# Altium PCB Einsy_Rambo-bu.PcbDoc (part 4 of 5) (continued)
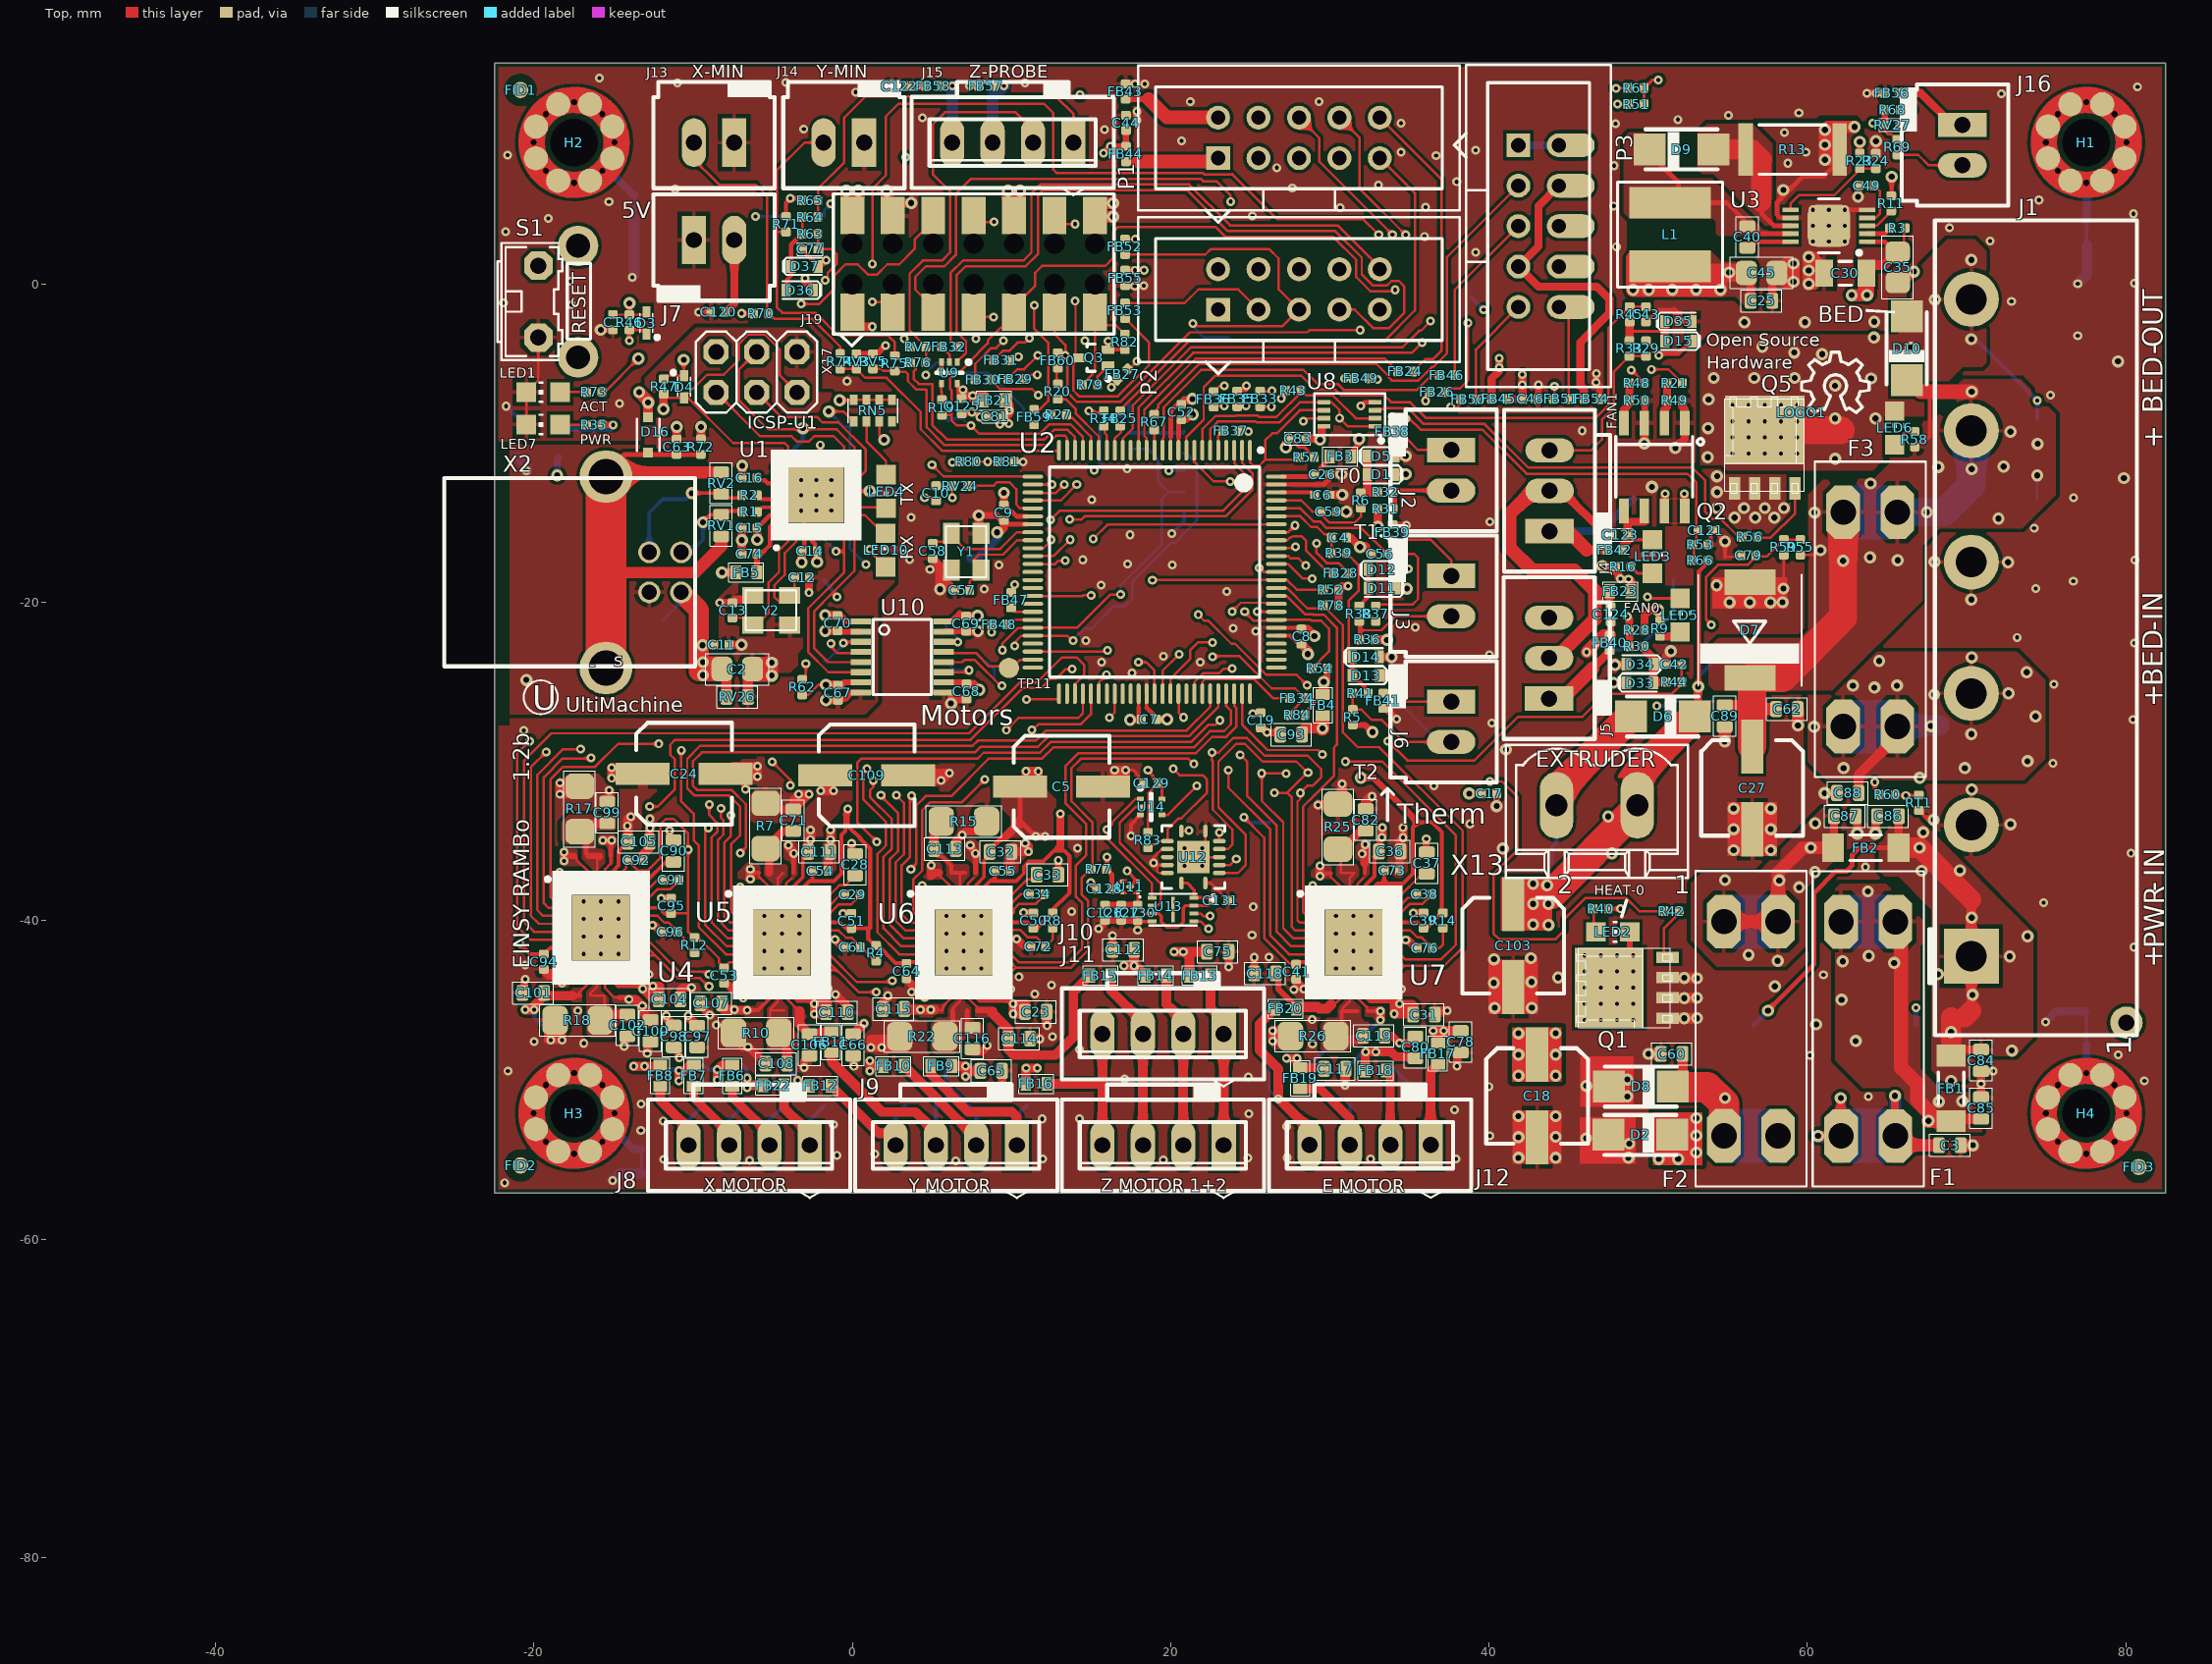
[diagram p0: Top view]
## Nets (pads, with @x,y where several pads share a name; then routed paths per layer and width w, separated by ;. In a path a pad name is that pad's centre, name@x,y a point inside that pad or via, vN(x,y) a via of type N, cw(c..) or ccw(c..) an arc to the next point about the centre after c; other vN are vias at no path point) (continued)
THERM0: C59.1 R6.2 U2.97 | length 6.3
  Top w0.152: U2.97@26.988,-13.591 28.209,-13.591 28.917,-14.299 C59.1@29.446,-14.299 29.446,-14.473 29.94,-14.967 31.591,-14.967 31.947,-14.611 R6.2@31.947,-14.078 R6.2@31.972,-14.103
THERM1: C56.1 R37.2 U2.96 | length 15.3
  Top w0.152: U2.96@26.988,-14.091 28.15,-14.091 28.969,-14.91 29.38,-14.91 29.793,-15.323 31.976,-15.323 33.603,-16.95 35.289,-16.95 35.535,-17.196 35.535,-19.793 35.204,-20.123 32.988,-20.123 R37.2@32.887,-20.225
  Top w0.254: R37.2@32.887,-20.326 R37.2@32.937,-20.276
THERM2: C4.1 R39.2 U2.95 | length 4.6
  Top w0.152: U2.95@26.988,-14.591 28.145,-14.591 28.814,-15.26 28.816,-15.26 28.822,-15.266 29.216,-15.266 29.679,-15.729 29.897,-15.729 C4.1@30.1,-15.932 30.1,-16.89 R39.2@30.093,-16.897
TX0: TP31.TP U2.3 U10.11 | length 35.1
  Top w0.152: U10.11@5.737,-24.389 7.208,-24.389 v1(7.334,-24.263) ; v1@12.53,-14.86 12.53,-14.905 12.541,-14.916 12.541,-14.719 13.03,-14.23 23.32,-14.23 24.794,-12.756 24.794,-12.047 23.991,-11.244 U2.3@23.991,-10.091
  Signal Layer 2 w0.152: v1(7.334,-24.263) 7.772,-24.701 8.189,-24.701 8.73,-25.242 8.73,-25.48 9.13,-25.88 9.762,-25.88 11.2,-24.442 11.2,-19.941 11.906,-19.235 11.906,-15.354 v1(12.44,-14.82)
  Bottom w0.152: TP31.TP@5.861,-23.679 6.445,-24.263 v1(7.334,-24.263)
TX0-I: TP26.TP U1.8 U10.6 | length 13.7
  Top w0.152: v1(-1.022,-16.796) -0.529,-16.796 ; U1.8@-0.517,-15.665 -0.529,-15.677 -0.529,-16.796 ; U10.6@0.521,-24.389 -1.504,-24.389 -2.775,-23.118 -2.775,-20.377 -0.529,-18.131 -0.529,-16.796
  Bottom w0.152: TP26.TP@-1.759,-16.059 v1(-1.022,-16.796)
TX1: R80.1 R85.1 U2.46 | length 34.6
  Top w0.152: v2(6.28,-11.19) 6.158,-11.19 6.125,-11.157 R80.1@6.826,-11.157 ; v1(10.2,-22.74) 10.2,-22.509 10.605,-22.104 U2.46@10.987,-22.104 ; U2.46@11.337,-22.091 13.511,-22.091 v1@13.66,-22.24
  Signal Layer 1 w0.152: v2(6.28,-11.19) 6.28,-11.62 10.28,-15.62 10.28,-17.543 9.31,-18.513 9.31,-19.236 10.2,-20.126 v1(10.2,-22.74)
  Bottom w0.152: v1@13.82,-22.4 14.57,-21.65 15.025,-21.65 16.426,-20.249 17.117,-20.249 17.6,-19.766 17.6,-18.703 20.069,-16.234 20.306,-16.234 20.634,-15.906 20.634,-15.866 21.225,-15.275
  Bottom w0.178: R85.1@20.85,-10.63 20.98,-10.63 21.642,-11.292 21.642,-14.858 21.225,-15.275
  other v1: 13.87,-22.4
TX2: R67.1 U2.13 | length 1.5
  Top w0.152: R67.1@18.975,-8.98 18.987,-8.992 U2.13@18.987,-10.441
TX2_EXT: P3.3 R67.2 | length 33.3
  Top w0.152: R67.2@18.975,-8.017 19.216,-7.776 19.216,-7.585 21.767,-5.034 32.945,-5.034 33.702,-5.79 33.702,-5.848 ; 33.698,-5.852 33.923,-6.077 35.539,-6.077 36.406,-5.21 36.491,-5.21 37.363,-4.338 37.363,1.702 41.743,6.082 P3.3@41.743,6.184
TX3: FB35.1 U2.64 | length 21.8
  Top w0.152: U2.64@19.495,-26.092 19.495,-24.294 v1(20.53,-23.26) ; FB35.1@24.174,-7.66 v2@24.761,-7.66
  Signal Layer 2 w0.152: v1(20.53,-23.26) 20.53,-23.123 22.49,-21.163 22.49,-20.432 22.055,-19.998 22.055,-18.288 22.75,-17.593 22.75,-16.211 24.43,-14.531 24.43,-9.91 24.16,-9.64 24.16,-8.86 24.761,-8.259 v2@24.761,-7.66
  other v2: 24.74,-7.65
TXL: LED4.C U1.11 | length 2
  Top w0.152: U1.11@0.133,-14.015 2.045,-14.015 LED4.C@2.121,-14.091
uC_Vcc: C7.1 C8.1 C9.1 C52.1 C81.1 FB21.2 U2.10 U2.31 U2.61 U2.80 | length 12.7
  Top w0.152: C52.1@20.621,-8.46 C52.1@20.796,-8.285 ; v3@21.37,-8.285 v3@21.421,-8.285
  Top w0.203: 17.987,-26.6 U2.61@17.987,-25.741 ; U2.10@20.487,-10.441 20.487,-9.649 20.511,-9.625
  Top w0.254: U2.80@26.637,-22.091 27.501,-22.091 28.034,-22.623 C8.1@28.213,-22.623
  Top w0.292: C9.1@9.519,-13.885 C9.1@9.594,-13.885 ; C9.1@9.519,-13.81 C9.1@9.594,-13.885 ; C9.1@9.705,-13.885 C9.1@9.594,-13.885 ; U2.31@10.987,-14.591 10.301,-14.591 C9.1@9.594,-13.885 ; C7.1@17.987,-27.275 17.987,-26.6
  Top w0.305: 20.511,-9.625 20.511,-8.57 C52.1@20.621,-8.46
  Top w0.457: C81.1@9.435,-8.324 C81.1@9.646,-8.324 ; v3(17.45,-27.375) 18.125,-27.375 C7.1@18.15,-27.35
  Top w0.508: C9.1@9.519,-13.81 v3(9.519,-13.115) ; C52.1@20.669,-8.457 21,-8.457 21.267,-8.19 v3(21.4,-8.19)
  Top w0.559: v1(9.27,-8.78) 9.27,-8.708 9.266,-8.703 9.874,-8.095 9.874,-7.608 FB21.2@9.574,-7.308
  Top w0.584: C8.1@28.213,-22.623 28.619,-23.03 v4(28.619,-23.247)
  other v1: 9.84,-8.77 9.87,-7.93
USBVCC: C2.2 C11.1 C14.1 C15.1 C67.2 C70.1 D4.C FB5.1 JP3.1 R47.2 R62.2 RN5.1 RN5.2 RN5.3 RN5.4 RV26.2 TP46.TP U1.4 U1.31 U10.1 U10.7 X2.1 X17.2 | length 33
  Top w0.152: R47.2@-11.843,-5.75 -11.838,-5.755 D4.C@-10.568,-5.755 -10.593,-5.73 v3(-10.593,-4.755) ; R62.2@-3.15,-25.806 -2.759,-25.806 -2.127,-25.174 v3(-1.654,-25.174) ; C67.2@-0.921,-25.174 C67.2@-0.904,-25.192 ; v3(-0.804,-7.299) 0.052,-7.299 RN5.4@0.077,-7.274 RN5.3@0.89,-7.274 RN5.2@1.696,-7.274 RN5.1@2.496,-7.274
  Top w0.279: C15.1@-5.983,-15.323 -5.973,-15.323 -5.165,-14.515 U1.31@-4.68,-14.515 ; U1.4@-2.521,-15.665 -2.521,-16.151 -2.343,-16.328 -2.343,-16.64 C14.1@-2.207,-16.776
  Top w0.381: C67.2@-0.904,-25.192 -0.655,-25.192 -0.488,-25.024 U10.7@0.521,-25.024 ; C70.1@-0.879,-20.824 -0.728,-20.824 -0.35,-21.202 U10.1@0.521,-21.202
  Top w0.508: v3(-9.404,-22.689) -9.379,-22.663 C11.1@-8.711,-22.663 ; v3(-8.185,-18.117) FB5.1@-7.326,-18.117 ; C15.1@-5.983,-15.323 -5.975,-15.33 v3@-5.975,-16.085 ; v3@-2.213,-17.488 -2.213,-16.782 C14.1@-2.207,-16.776 ; v3(-1.704,-20.799) -0.904,-20.799 C70.1@-0.879,-20.824 ; v3(-1.654,-25.174) C67.2@-0.921,-25.174
  Top w0.635: C2.2@-8.185,-24.187 -7.913,-24.187 RV26.2@-7.913,-25.94
  Top w0.762: v3(-9.379,-24.568) C2.2@-8.185,-24.568 ; v3(-9.379,-23.755) C2.2@-7.931,-23.755
  Top w1.27: X2.1@-10.755,-19.369 -9.633,-20.491 -9.633,-24.314 -8.312,-24.314 C2.2@-8.185,-24.187
  Signal Layer 2 w0.152: X2.1@-10.835,-19.369 X2.1@-10.755,-19.369
  Bottom w0.152: TP46.TP@-11.919,-21.139 -10.755,-19.975 X2.1@-10.755,-19.369
  Bottom w0.406: v4(-18.542,-12.014) -18.542,-11.009 JP3.1@-18.415,-10.882
  other v3: -2.213,-17.463 -5.975,-16.059
USHIELD: C63.1 D16.A R72.2 RV1.1 RV2.1 X2.P$1 X2.P$2 | length 34.5
  Top w0.305: X2.P$1@-15.537,-12.157 -15.729,-11.964 -15.571,-11.964 -14.306,-10.7 R72.2@-9.518,-10.7
  Top w0.61: X2.P$1@-15.479,-12.214 X2.P$1@-15.479,-12.099
  Top w0.711: -15.377,-18.117 -9.887,-18.117
  Top w0.762: X2.P$1@-15.537,-12.157 X2.P$1@-15.479,-12.214 ; -15.479,-18.015 -15.377,-18.117 ; X2.P$1@-15.088,-11.823 RV2.1@-8.236,-11.823 ; -9.887,-18.117 -8.236,-16.466 RV1.1@-8.236,-15.85
  Top w2.54: X2.P$2@-15.479,-24.119 -15.479,-18.015 X2.P$1@-15.479,-12.214
VCC: C17.1 C19.1 C25.1 C44.1 C45.1 C46.2 C68.2 C69.1 C83.1 C120.2 C122.2 C125.2 C128.2 C129.2 D1.K D3.C D11.K D13.K D15.K D33.K D36.K FB3.1 FB4.1 FB21.1 FB23.1 FB44.2 FB45.1 FB58.1 J7.2 J19.2 J19.10 JP3.2 L1.2 P4.1 P4.2 R5.2 R9.1 R11.2 R16.1 R23.2 R28.2 R29.2 R31.2 R35.2 R36.2 R46.2 R51.2 R52.2 R54.2 R60.2 R61.2 R65.2 R68.2 R70.1 R71.1 R77.2 R78.2 R83.1 R84.2 R86.2 TP32.TP U8.8 U9.5 U10.10 U10.16 U11.3 U11.4 U14.5 | length 112.8
  Top w0.152: R83.1@18.575,-34.445 18.575,-33.649 18.604,-33.619 18.604,-31.959 18.859,-31.705 18.859,-31.691 C129.2@19.2,-31.35
  Top w0.203: U9.5@6.6,-6.25 6.631,-6.281 6.631,-7.023 C125.2@6.875,-7.267 ; U11.4@16.96,-38.205 16.513,-38.205 16.308,-38 16.622,-37.686 16.622,-37.677 16.754,-37.545 U11.3@16.96,-37.545 ; v1(18.575,-30.55) 18.575,-30.575 18.884,-30.884 18.884,-31.034 19.2,-31.35 19.45,-31.6 U14.5@19.45,-32.35 ; R84.2@28.43,-27.05 28.43,-26.912 28.716,-26.626 28.779,-26.626 29.023,-26.382 29.023,-26.319 FB4.1@29.559,-25.783 ; R51.2@49.74,11.308 R61.2@49.74,12.324 50.237,12.821 v2(50.641,12.821) ; R29.2@49.867,-3.565 v2@50.67,-4.369 ; v1(64.237,-31.293) 64.237,-31.75 R60.2@64.567,-32.08
  Top w0.254: v1(-14.021,-3.556) -14.021,-2.896 R46.2@-14.002,-2.877 ; R46.2@-14.021,-2.837 -13.243,-2.837 D3.C@-12.935,-3.145 ; v2(-6.96,-1.842) -7.01,-1.842 -7.01,-1.854 R70.1@-6.22,-1.854 ; R71.1@-4.166,4.239 -4.166,5.105 v2(-3.886,5.385) -3.251,5.385 R65.2@-3.124,5.258 ; v2@50.67,-4.369 51.892,-4.369 52.68,-3.581 D15.K@52.742,-3.581 ; R68.2@65.83,10.952 v2(66.567,10.952)
  Top w0.279: D11.K@34.118,-19.107 34.143,-19.133 v3(34.842,-19.133)
  Top w0.305: v1(16,-36) 16,-36.708 R77.2@15.958,-36.75 16.308,-37.1 C128.2@16.308,-38 ; FB3.1@31.316,-10.827 31.316,-10.568 31.845,-10.039 v3(31.845,-9.735) ; v3(38.754,-32.01) C17.1@39.524,-32.01 ; R23.2@63.29,8.223 v3(63.29,8.934) ; R11.2@65.272,5.556 65.297,5.582 v4(65.297,6.75)
  Top w0.381: R35.2@-15.729,-8.846 v2(-15.018,-8.846) ; U10.10@5.737,-25.024 C68.2@7.077,-25.024 ; U10.16@6.241,-21.189 6.756,-20.674 ; 6.756,-20.864 C69.1@7.146,-20.864 ; v3(29.616,-24.994) 29.839,-24.771 R54.2@29.839,-24.149 ; R5.2@31.439,-27.692 32.201,-27.692 32.658,-28.15 v3(32.683,-28.15)
  Top w0.406: v2(15.782,8.22) v2(16.215,8.653) FB44.2@17.19,8.653 17.19,9.662 C44.1@17.191,9.663 ; v1(25.15,-26.99) 25.6,-26.99 C19.1@25.66,-26.93
  Top w0.457: 48.119,-18.235 48.119,-18.432 v1@48.229,-18.542 ; v1@48.235,-18.542 v1(48.768,-18.542)
  Top w0.508: C120.2@-7.939,-1.746 -7.417,-1.224 J7.2@-7.417,2.769 ; v2(-2.972,0.356) -2.972,0.139 D36.K@-2.452,-0.381 ; C122.2@3.434,12.446 v2@4.058,12.446 ; v2(4.058,12.471) 4.079,12.45 FB58.1@4.61,12.45 ; C125.2@6.875,-7.177 6.875,-7.003 v1(7.563,-7.003) ; C69.1@7.146,-20.864 7.926,-20.864 v3@7.944,-20.847 ; C68.2@7.171,-25.118 7.18,-25.127 7.628,-25.127 v3@8.051,-25.55 ; C83.1@28.447,-9.709 29.483,-9.709 29.489,-9.703 29.489,-9.081 ; R78.2@30.55,-20.149 R52.2@30.55,-19.196 30.772,-18.974 v1(31.14,-18.974) ; R36.2@32.836,-22.333 v3@33.598,-22.333 ; v3(33.014,-15.246) R31.2@33.014,-14.129 ; D13.K@33.115,-24.594 v3(33.877,-24.594) ; FB45.1@41.12,-7.22 42.117,-7.22 42.1,-7.203 v2(42.1,-6.34) v2(42.1,-5.69) ; v3(47.822,-25.051) D33.K@48.623,-25.051 ; R16.1@47.927,-17.729 v3(47.142,-17.729) 47.613,-17.729 48.119,-18.235 ; v1(48.768,-18.542) 48.819,-18.542 48.925,-18.648 FB23.1@48.925,-19.329 ; R28.2@49.778,-21.749 49.778,-20.809 50.114,-20.472 v3(50.622,-20.472) 50.743,-20.593 R9.1@50.743,-21.167 ; C45.1@56.168,0.705 56.438,0.435 C25.1@56.438,-1.048
  Top w0.559: FB21.1@8.244,-7.308 8.214,-7.278 7.683,-7.278 7.563,-7.158 v1(7.563,-7.003) FB21.1@8.299,-7.003
  Top w0.635: FB4.1@29.559,-25.783 29.616,-25.726 v3(29.616,-24.994)
  Top w0.762: J19.2@-0.381,5.41 v3(-0.381,5.867) ; 0.381,5.486 v3(0.381,5.867) ; v3(9.779,5.867) 9.779,5.41 10.16,5.029 J19.10@10.16,4.305 ; 10.541,5.486 v3(10.541,5.867) ; D1.K@34.258,-11.944 v3(34.766,-11.944) ; v3@53.01,-0.083 54.261,-0.083 v3(54.534,-0.356)
  Top w0.889: L1.2@49.041,1.619 v3@49.041,-0.356 ; L1.2@53.01,1.422 v3@53.01,-0.083 ; 54.483,0.705 54.534,0.654 v3(54.534,-0.356) v3(53.01,-0.356) ; v3@49.041,-0.356 v3@49.047,-0.356 ; v3@49.041,-0.356 v3(49.041,-0.362) v3@49.047,-0.356 ; v3@49.047,-0.356 49.052,-0.36 v3(50.04,-0.36) 51.507,-0.36 v3(51.511,-0.356) v3(53.01,-0.356) ; v3@49.047,-0.356 49.32,-0.083 v3@53.01,-0.083 ; v3(53.01,-0.356) v3@53.01,-0.083
  Top w1.143: L1.2@53.588,0.705 54.483,0.705 C45.1@56.168,0.705
  Signal Layer 1 w0.508: v1@48.26,-18.542 v1(48.26,-18.517)
  Signal Layer 2 w0.305: v3@55.01,0.705 v3@55.143,0.705 ; v3(55.086,0.73) v3@55.169,0.73
  Signal Layer 2 w0.508: v3@55.169,0.73 63.29,8.852 v3(63.29,8.934)
  Bottom w0.203: v1(15.2,-11.7) 15.545,-11.355 15.545,-8.914 16.134,-8.325 P4.2@17.375,-8.325 P4.1@17.375,-7.305 ; v1(19.875,-11.725) 19.88,-11.72 R86.2@20.85,-11.72
  Bottom w0.254: TP32.TP@38.881,-0.819 v2(39.668,-1.607)
  Bottom w0.508: JP3.2@-18.415,-9.032 -15.204,-9.032 v2(-15.018,-8.846)
  other v1: 6.95,-6.644
  other v2: 50.673,-4.47
  other v3: 7.98,-25.5 33.598,-22.358 7.868,-20.847 29.388,-9.779
VCC-FAN: C123.2 C124.2 FB23.2 J4.2 J5.2 TP33.TP | length 43.3
  Top w0.508: J4.2@43.809,-12.986 44.571,-12.986 47.333,-15.748 C123.2@47.76,-15.748 ; 46.711,-19.329 FB23.2@47.585,-19.329 ; FB23.2@47.585,-19.3 FB23.2@47.585,-19.329 ; FB23.2@47.595,-19.329 FB23.2@47.585,-19.329 ; C124.2@47.65,-20.265 47.585,-20.2 FB23.2@47.585,-19.329
  Top w0.864: J5.2@43.783,-23.501 44.194,-23.501 46.65,-21.045 46.65,-19.39 46.711,-19.329 45.364,-17.983 42.723,-17.983 41.3,-16.561 41.3,-14.453 42.767,-12.986 J4.2@43.809,-12.986
  Signal Layer 2 w0.203: J5.2@44.507,-23.501 J5.2@43.783,-23.501 42.969,-23.501 41.48,-24.99 41.48,-26.95 41.91,-27.38 45.84,-27.38 46.709,-26.511 v1(50.552,-26.511)
  Bottom w0.203: v1(50.552,-26.511) 50.914,-26.511 51.206,-26.219 TP33.TP@54.121,-26.219
VCC-MOT: C39.2 C41.2 C50.2 C51.2 C53.2 C54.2 C55.2 C64.2 C73.2 C92.2 C93.2 C94.2 C95.2 FB4.2 R4.2 R8.2 R12.2 R14.2 TP8.TP U4.8 U4.26 U4.30 U5.8 U5.26 U5.30 U6.8 U6.26 U6.30 U7.8 U7.26 U7.30 | length 177.4
  Top w0.152: U4.30@-14.539,-37.517 -14.539,-37.018 -14.205,-36.684 -14.205,-36.43 -14.053,-36.278 -13.494,-36.836 -12.833,-36.836 -12.063,-36.066 -12.063,-33.958 -11.716,-33.611 -11.208,-33.611 -10.332,-34.487 -10.332,-35.528 v1(-10.319,-35.541) ; C95.2@-11.386,-39.529 -10.395,-39.529 -10.319,-39.453 ; v1@-10.319,-35.566 -10.319,-39.453 ; U5.8@-6.851,-42.606 -7.707,-42.606 -8.058,-42.958 -8.376,-42.64 -8.376,-42.37 -9.591,-41.154 -9.862,-41.154 -10.319,-40.697 -10.319,-39.453 ; 0.997,-40.469 1.118,-40.469 ; C64.2@3.397,-42.678 C64.2@3.469,-42.606 ; C50.2@11.373,-40.469 C50.2@11.627,-40.469 ; v1(24.606,-33.509) 25.876,-34.779 25.876,-41.084 27.471,-42.678 27.883,-42.678 C41.2@27.955,-42.606 ; C39.2@35.858,-40.469 35.884,-40.469 C39.2@36.062,-40.469
  Top w0.241: C94.2@-19.387,-42.094 -18.984,-41.692 U4.8@-18.214,-41.692 ; U4.26@-13.364,-39.192 U4.26@-13.359,-39.192 -12.142,-39.192 -11.779,-39.554 C95.2@-11.386,-39.554 ; U5.30@-3.176,-38.431 -3.176,-37.996 -2.695,-37.516 -2.496,-37.516 -1.143,-37.516 -0.686,-37.059 -0.686,-36.754 ; U5.26@-1.996,-40.106 -0.813,-40.106 -0.737,-40.183 -0.711,-40.183 -0.425,-40.469 1.118,-40.469 ; C64.2@3.469,-42.606 U6.8@4.579,-42.606 ; U6.30@8.254,-38.431 8.254,-37.898 8.68,-37.471 8.782,-37.471 ; C55.2@8.96,-36.862 8.96,-37.294 8.782,-37.471 ; U6.26@9.429,-40.106 11.01,-40.106 C50.2@11.373,-40.469 ; 12.008,-36.252 11.99,-36.27 11.101,-36.27 10.77,-36.601 10.77,-37.033 10.287,-37.516 8.826,-37.516 8.782,-37.471 ; C41.2@27.955,-42.606 U7.8@29.065,-42.606 ; U7.30@32.74,-38.431 32.74,-37.923 32.988,-37.675 33.42,-37.675 ; C73.2@33.42,-36.887 33.42,-37.675 ; U7.26@33.915,-40.106 34.986,-40.106 34.999,-40.119 35.499,-40.119 35.507,-40.111 35.51,-40.114 35.529,-40.114 C39.2@35.884,-40.469 ; 35.212,-37.051 34.588,-37.675 33.42,-37.675 ; 35.216,-36.996 35.216,-36.659
  Top w0.254: v1(-20.885,-41.434) -20.225,-42.094 C94.2@-19.387,-42.094 ; v1@-10.319,-35.566 v1(-10.319,-35.541) ; -2.496,-37.516 C54.2@-2.496,-36.862 ; -0.686,-36.754 -0.686,-34.613 -0.438,-34.365 -0.438,-33.128 v1(-0.286,-32.976) -0.286,-34.042 0.121,-34.449 0.145,-34.449 0.502,-34.806 0.502,-34.854 1.118,-35.47 1.118,-40.469 ; 0.997,-40.469 0.997,-41.142 1.289,-41.434 1.492,-41.434 2.737,-42.678 C64.2@3.397,-42.678 ; C50.2@11.601,-40.469 R8.2@12.525,-39.545 ; 12.008,-36.252 12.668,-35.592 12.821,-35.592 ; R8.2@12.551,-39.545 12.551,-39.341 13.642,-38.25 13.642,-35.931 13.303,-35.592 12.948,-35.592 ; 35.216,-36.659 35.216,-34.135 35.538,-33.814 36.427,-33.814 37.036,-34.423 37.036,-39.494 C39.2@36.062,-40.469
  Top w0.406: v3(31.947,-31.02) 32.744,-31.02 35.538,-33.814
  Top w0.508: 12.948,-35.465 13.075,-35.337 v1(13.075,-33.275)
  Top w0.61: C93.2@28.255,-28.05 28.384,-27.921 v3(29.534,-27.921)
  Top w0.889: v3(29.534,-27.921) FB4.2@29.534,-27.443
  Signal Layer 2 w0.559: v1(-10.319,-35.541) -9.963,-35.185
  Signal Layer 2 w0.889: v1@-20.682,-41.307 -20.93,-41.059 -20.93,-36.271 -17.939,-33.28 -15.246,-33.28 -13.875,-31.909 -12.083,-31.909 -9.957,-34.035 -9.957,-34.544 -9.315,-35.185 -8.312,-35.185 -7.753,-34.627 -6.255,-34.627 -4.604,-32.976 v1(-0.286,-32.976) 0.07,-32.976 0.857,-33.763 3.804,-33.763 4.292,-33.275 v1(13.075,-33.275) 23.785,-33.275 25.66,-35.15 28.35,-35.15 32.35,-31.15 32.35,-29.823 31.312,-28.785 30.397,-28.785 v3(29.534,-27.921)
  Bottom w0.254: v1(24.606,-33.509) 24.936,-33.839 TP8.TP@26.181,-33.839
VMOT: C3.1 C5.1 C18.1 C23.2 C24.1 C28.2 C30.1 C31.2 C32.2 C33.2 C35.1 C36.2 C37.2 C90.2 C104.2 C105.2 C109.1 C110.2 C111.2 D2.K F1.2 R3.2 U3.1 U4.16 U4.31 U5.16 U5.31 U6.16 U6.31 U7.16 U7.31 | length 164.7
  Top w0.152: C36.2@32.861,-35.947 C36.2@33.181,-35.947 ; C35.1@65.678,2.284 66.139,2.284 66.059,2.364 66.059,3.321 R3.2@66.262,3.524
  Top w0.241: U4.16@-15.039,-43.367 -15.039,-43.812 -14.732,-44.12 -12.548,-44.12 v1(-12.529,-44.101) ; U4.31@-15.039,-37.517 -15.039,-36.883 -14.688,-36.532 -14.688,-35.623 C105.2@-14.098,-35.033 ; U5.16@-3.676,-44.281 -3.676,-44.787 -3.423,-45.041 -2.572,-45.041 v1(-2.394,-45.218) ; U5.31@-3.676,-38.431 -3.676,-37.833 -3.105,-37.262 -3.105,-36.004 C111.2@-2.769,-35.668 ; U6.16@7.754,-44.281 7.754,-44.787 8.007,-45.041 9.925,-45.041 v1(10.103,-45.218) ; U6.31@7.754,-38.431 7.754,-37.769 8.274,-37.249 8.274,-36.227 8.635,-35.865 C32.2@8.635,-35.668 ; U7.16@32.24,-44.281 32.24,-44.787 32.518,-45.066 34.391,-45.066 34.543,-45.218 C31.2@35.229,-45.904 ; U7.31@32.24,-38.431 32.24,-37.754 32.804,-37.19 32.804,-36.023 32.785,-36.004 C36.2@33.096,-35.693
  Top w0.292: U3.1@63.752,2.666 64.869,2.666 C35.1@65.102,2.433
  Top w0.305: C32.2@8.635,-35.668 8.635,-35.535 9.373,-34.798 ; 10.551,-32.588 10.551,-33.62 ; C5.1@10.551,-31.325 10.551,-31.569 10.551,-33.62 ; 10.763,-33.992 10.796,-33.992 ; v1@11.507,-34.703 10.796,-33.992 ; C36.2@33.096,-35.693 C36.2@33.096,-35.643 33.096,-34.926 v1(33.268,-34.754) ; 9.373,-34.798 9.728,-34.798 10.449,-34.077 10.551,-34.077 10.551,-33.747 ; 9.373,-34.798 10.551,-33.62 ; 10.551,-33.747 10.796,-33.992 ; 10.551,-33.747 10.551,-33.62
  Top w0.406: C28.2@-0.057,-35.633 0.146,-35.836 C28.2@0.13,-35.852 ; C33.2@12.942,-37.116 v1@12.942,-36.348 ; C37.2@36.046,-35.852 v1@36.046,-35.084
  Top w0.457: v1@-13.164,-44.329 C104.2@-12.325,-45.168 ; v1(-13.164,-44.279) -12.828,-44.279 C104.2@-12.529,-44.578
  Top w0.508: v1(-11.481,-34.341) -11.481,-34.69 C90.2@-11.233,-34.937 ; v1(-0.051,-35.128) -0.051,-35.579 C28.2@0.171,-35.801 ; v1@11.507,-34.703 v1(12.109,-34.703) ; v1(34.385,-45.218) 34.543,-45.218 35.198,-45.218 35.325,-45.345 C31.2@35.325,-46.107 ; C31.2@35.229,-45.904 34.715,-45.904 ; v3(60.674,-53.524) F1.2@62.122,-53.524 62.097,-53.499 v3(62.097,-51.137) ; v3(65.507,-51.003) 65.507,-53.505 F1.2@65.526,-53.524 ; 34.715,-45.904 34.08,-45.269 34.03,-45.269 v1(34.03,-45.853) 34.08,-45.904 34.715,-45.904 ; C104.2@-12.529,-44.578 v1(-12.529,-44.101) -12.071,-44.101 -12.071,-44.843 C104.2@-12.167,-44.939 C104.2@-12.529,-44.578
  Top w0.559: v1(-1.988,-31.833) v1(-1.175,-31.833) ; C110.2@-1.556,-45.955 -1.556,-45.218 v1(-2.394,-45.218) -2.394,-45.549 ; C5.1@10.542,-31.579 10.551,-31.569 10.916,-31.205 v1(10.916,-30.613) v1(11.678,-30.613) C5.1@11.678,-31.96 ; v1(33.268,-34.754) 33.293,-34.728 v1(33.293,-34.144) ; -2.394,-45.549 v1(-2.394,-45.879) -1.779,-45.879 C110.2@-1.652,-45.752 -2.191,-45.752 -2.394,-45.549 ; 10.103,-45.523 v1(10.103,-45.853) 10.718,-45.853 C23.2@10.845,-45.726 ; 10.103,-45.523 v1(10.103,-45.218) 10.916,-45.218 10.916,-45.656 C23.2@10.845,-45.726 ; 10.103,-45.523 10.306,-45.726 C23.2@10.845,-45.726 ; v1(-15.119,-31.045) -13.452,-31.045 C24.1@-13.173,-30.766 -13.554,-30.385 v1(-15.119,-30.385) v1(-15.119,-31.045)
  Top w0.61: C105.2@-14.098,-35.033 -14.098,-33.63 v1(-13.926,-33.458) v1@-13.9,-33.458 ; C111.2@-2.769,-35.668 -2.769,-34.976 -2.623,-34.83 v1(-2.623,-34.296) ; C30.1@63.701,0.679 64.209,1.187 64.855,1.187 C35.1@65.678,2.01
  Top w0.762: v3(62.782,-0.692) v3@63.6,-0.692 ; F1.2@66.11,-54.108 C3.1@68.275,-54.108
  Top w1.016: v3@63.701,-0.591 C30.1@63.701,0.679
  Supply w1.118: 63.195,-0.686 65.1,-0.686 69.393,-4.978
  Supply w1.422: 65.227,-49.809 66.548,-48.489 70.612,-48.489 78.283,-40.818 78.283,-6.375 76.886,-4.978 69.393,-4.978
  Signal Layer 2 w0.61: v1(-14.129,-34.042) -14.129,-33.661 v1(-13.926,-33.458)
  Bottom w0.559: v3(62.097,-51.137) 62.097,-53.499 F1.2@62.122,-53.524
  Bottom w0.635: v3@60.604,-53.594 F1.2@62.052,-53.594
  Bottom w0.762: v3(65.507,-51.003) 65.507,-52.805 F1.2@65.526,-52.824
  Bottom w2.159: F1.2@62.422,-54.127 F1.2@65.126,-54.127 ; F1.2@62.549,-52.883 F1.2@65.253,-52.883
  other v1: 12.948,-36.201 -2.623,-34.906 36.062,-34.855 11.532,-34.703
  other v3: 50.667,-54.972 51.886,-54.972 53.029,-54.566 53.029,-53.499 53.029,-52.407 41.853,-49.74 44.19,-49.74 41.853,-48.419 44.19,-48.419 41.853,-47.08 44.19,-47.073 63.748,-0.692
X-DIR: U2.35 U4.7 | length 59.4
  Top w0.152: v1(-20.276,-28.708) -21.063,-29.496 -21.063,-40.342 -20.213,-41.192 U4.7@-18.214,-41.192 ; U2.35@10.987,-16.591 12.005,-16.591 v1@12.537,-16.059
  Signal Layer 2 w0.152: v1(-20.276,-28.708) -19.412,-27.845 8.315,-27.845 11.53,-24.63 11.53,-20.078 12.236,-19.371 12.236,-16.36 v1@12.537,-16.059
  other v1: 12.47,-16.06
X-EN: U2.71 U4.22 | length 57.9
  Top w0.152: U4.22@-13.364,-41.193 -12.872,-41.193 -10.852,-43.212 -9.15,-43.212 v1(-8.998,-43.364) ; v1(-7.042,-35.744) -6.687,-35.389 -6.687,-32.684 -7.595,-31.775 -9.76,-31.775 -10.014,-31.521 -10.014,-29.978 -9.455,-29.42 7.707,-29.42 8.062,-29.064 11.664,-29.064 12.328,-28.399 21.153,-28.399 23.001,-26.552 U2.71@23.001,-26.092
  Signal Layer 2 w0.152: -9.658,-42.577 -9.658,-42.78 ; v1(-8.998,-43.364) -9.074,-43.364 -9.658,-42.78 ; v1(-7.042,-35.744) -9.328,-38.03 -9.328,-39.91 -9.658,-40.24 -9.658,-42.78
X-STEP: U2.53 U4.6 | length 53.3
  Top w0.152: U4.6@-18.214,-40.692 -20.002,-40.692 -20.631,-40.062 -20.631,-29.947 -18.91,-28.226 7.336,-28.226 10.536,-25.025 11.602,-25.025 13.177,-23.451 14.093,-23.451 14.555,-23.912 14.555,-24.559 13.987,-25.127 U2.53@13.987,-26.092
X_0A1: C98.1 FB6.1 TP75.TP U4.34 | length 32
  Top w0.152: v1@-18.193,-35.77 v1@-18.167,-35.795 ; v1@-18.142,-35.82 v1@-18.167,-35.795 ; -17.888,-35.922 -18.091,-35.719 -18.117,-35.744 v1@-18.167,-35.795 ; -17.324,-36.08 -17.324,-36.175 -16.539,-36.96 U4.34@-16.539,-37.517
  Top w0.381: -17.888,-35.922 -17.482,-35.922
  Top w0.559: v1(-18.117,-36.252) -18.117,-35.744 v1(-18.117,-35.693) ; v1(-11.684,-45.949) -11.684,-46.126 C98.1@-11.22,-46.59 ; v2(-8.484,-50.013) v2(-8.484,-49.352) -8.204,-49.073 FB6.1@-7.544,-49.073
  Signal Layer 2 w0.559: -9.379,-49.828 -9.233,-49.682 -8.484,-49.682 ; -9.379,-49.079 -9.106,-49.352 v2(-8.484,-49.352) -8.484,-49.682 ; -9.195,-50.013 v2(-8.484,-50.013) -8.484,-49.682
  Signal Layer 2 w0.61: v1(-18.117,-36.252) v1(-18.117,-35.693) -18.053,-35.757 -14.788,-35.757 -14.775,-35.744 -13.037,-35.744 -11.195,-37.586 -11.195,-38.895 -11.69,-39.39 -11.69,-46.603 -9.379,-48.914 -9.379,-49.828 -9.195,-50.013
  Bottom w0.254: TP75.TP@-9.379,-49.079 -9.106,-49.352 v2(-8.484,-49.352)
X_0A2: C97.1 FB22.1 TP73.TP U4.32 | length 29.1
  Top w0.152: U4.32@-15.539,-37.517 -15.526,-37.503 -15.526,-36.76 -15.175,-36.41 -15.175,-35.922 ; v1@-15.272,-34.957 -15.196,-34.881 v1(-15.119,-34.957) v1@-15.175,-35.013
  Top w0.305: -15.175,-35.922 v1@-15.175,-35.013
  Top w0.559: v1(-15.678,-34.957) -15.272,-34.957 v1(-15.119,-34.957) ; v1(-10.312,-45.949) -10.312,-46.031 C97.1@-9.747,-46.596 ; v2(-6.604,-50.502) v2(-6.604,-49.892)
  Top w0.61: v2@-6.553,-50.343 FB22.1@-5.618,-50.343
  Signal Layer 2 w0.61: v1(-15.678,-34.957) v1(-15.119,-34.957) -12.706,-34.957 -11.195,-36.468 -11.195,-36.472 -10.395,-37.272 -10.395,-39.224 -10.878,-39.707 -10.878,-45.383 ; -10.878,-44.78 -10.878,-45.383 ; v2@-6.629,-50.502 -6.629,-49.289 -6.839,-49.079 -7.182,-49.079 v1(-10.312,-45.949) -10.878,-45.383
  Bottom w0.254: TP73.TP@-6.839,-49.079 -6.629,-49.289 v2@-6.629,-49.892
X_0B1: C101.1 FB8.1 TP1.TP U4.13 | length 18.4
  Top w0.152: -17.177,-44.533 -16.539,-43.895 U4.13@-16.539,-43.367
  Top w0.305: -17.583,-44.71 -17.121,-44.71
  Top w0.61: v1(-20.555,-45.599) v1(-19.996,-45.599) -19.996,-45.345 -19.367,-44.716 C101.1@-19.367,-44.533 ; C101.1@-19.336,-44.71 -17.583,-44.71 ; v1(-13.736,-49.149) -12.146,-49.149 FB8.1@-12.065,-49.068
  Supply w0.559: v1(-20.555,-45.599) v1(-19.996,-45.599)
  Signal Layer 2 w0.61: v1(-20.555,-45.599) v1(-19.996,-45.599) -20.199,-45.803 -20.199,-45.879 -19.539,-46.539 -16.847,-46.539 -14.262,-49.124 v1@-13.036,-49.124
  Bottom w0.254: v1(-19.996,-45.599) -19.996,-46.082 TP1.TP@-19.539,-46.539
  other v1: -13.056,-49.149
X_0B2: C100.1 FB7.1 TP74.TP U4.15 | length 18.5
  Top w0.152: U4.15@-15.539,-43.367 -15.539,-44.227 -14.954,-44.812 -14.656,-44.812
  Top w0.305: -14.656,-44.812 v1@-13.799,-44.812
  Top w0.508: v1(-13.189,-45.345) -13.127,-45.407 -13.127,-45.794 C100.1@-12.681,-46.24
  Top w0.559: v1(-14.027,-44.939) -13.595,-44.939 v1(-13.189,-45.345) ; v2(-10.897,-50.063) v2(-10.897,-49.403) -10.566,-49.403 FB7.1@-10.236,-49.073
  Supply w0.559: v1(-14.027,-44.939) -13.595,-44.939 v1(-13.189,-45.345)
  Signal Layer 2 w0.559: v1(-14.027,-44.939) -13.595,-44.939 v1(-13.189,-45.345) ; -11.919,-49.682 -10.922,-49.682 ; -11.919,-49.079 -11.646,-49.352 -10.922,-49.352 -10.922,-49.682 ; -11.862,-50.013 -10.922,-50.013 -10.922,-49.682
  Signal Layer 2 w0.61: v1(-13.189,-45.345) -13.011,-45.523 -13.011,-46.768 -11.919,-47.86 -11.919,-49.079 -11.919,-49.682 -11.919,-49.955 -11.862,-50.013
  Bottom w0.254: TP74.TP@-11.919,-49.079 -11.646,-49.352 v2@-10.922,-49.352
X_DIAG: R52.1 U2.87 U4.20 U4.21 | length 70.9
  Top w0.152: U4.20@-13.364,-42.192 -12.383,-42.192 ; U4.21@-13.364,-41.692 -12.88,-41.692 -10.96,-43.612 -9.563,-43.612 -9.074,-44.101 v1@-8.998,-44.101 ; v1(-12.732,-32.823) -12.224,-32.823 -11.151,-31.75 -11.151,-29.858 -11.436,-29.572 -11.436,-28.937 -11.132,-28.632 7.432,-28.632 10.683,-25.381 11.855,-25.381 12.462,-24.774 12.81,-24.774 13.372,-24.213 v1@13.81,-24.213 ; v2(18.85,-18.6) 27.323,-18.599 27.92,-19.196 R52.1@29.587,-19.196
  Signal Layer 2 w0.152: v1(-12.732,-32.823) -12.186,-32.823 -10.897,-34.112 -10.897,-35.763 -9.735,-36.925 -9.735,-39.732 -10.065,-40.062 -10.065,-43.11 -9.074,-44.101 v1@-8.998,-44.101 ; v1@13.81,-24.314 13.81,-24.23 15.82,-22.22 16.124,-22.22 18.85,-19.494 v2(18.85,-18.6)
  other v1: -8.998,-44.126 13.81,-24.19
X_MIN: R74.1 RV3.2 U2.25 | length 16.6
  Top w0.152: R74.1@-0.762,-5.331 -0.759,-5.334 0.254,-5.334 0.813,-5.893 2.159,-5.893 4.293,-8.026 4.293,-9.118 5.645,-10.47 12.873,-10.47 U2.25@13.005,-10.338
X_nCS: U2.51 U4.2 | length 42.2
  Top w0.152: U4.2@-18.214,-38.692 -18.776,-38.692 -18.968,-38.5 -18.968,-31.134 -18.167,-30.334 -16.161,-30.334 -14.713,-28.886 v1(-12.148,-28.886) ; v1(10.94,-26.092) U2.51@12.987,-26.092
  Signal Layer 1 w0.152: v1(-12.148,-28.886) -11.841,-28.58 7.753,-28.58 10.241,-26.092 v1(10.94,-26.092)